# Altium PCB ER100_Driver.PcbDoc (part 2 of 2)
Units mm, origin at the board's own origin, x right, y up, seen from the top; angles counter-clockwise.
Board outline 131.32 x 89.41 mm, 4 copper layers (Top Layer, MidLayer1, MidLayer2, Bottom Layer); 69 components, 74 nets, 544 pads, 542 vias.
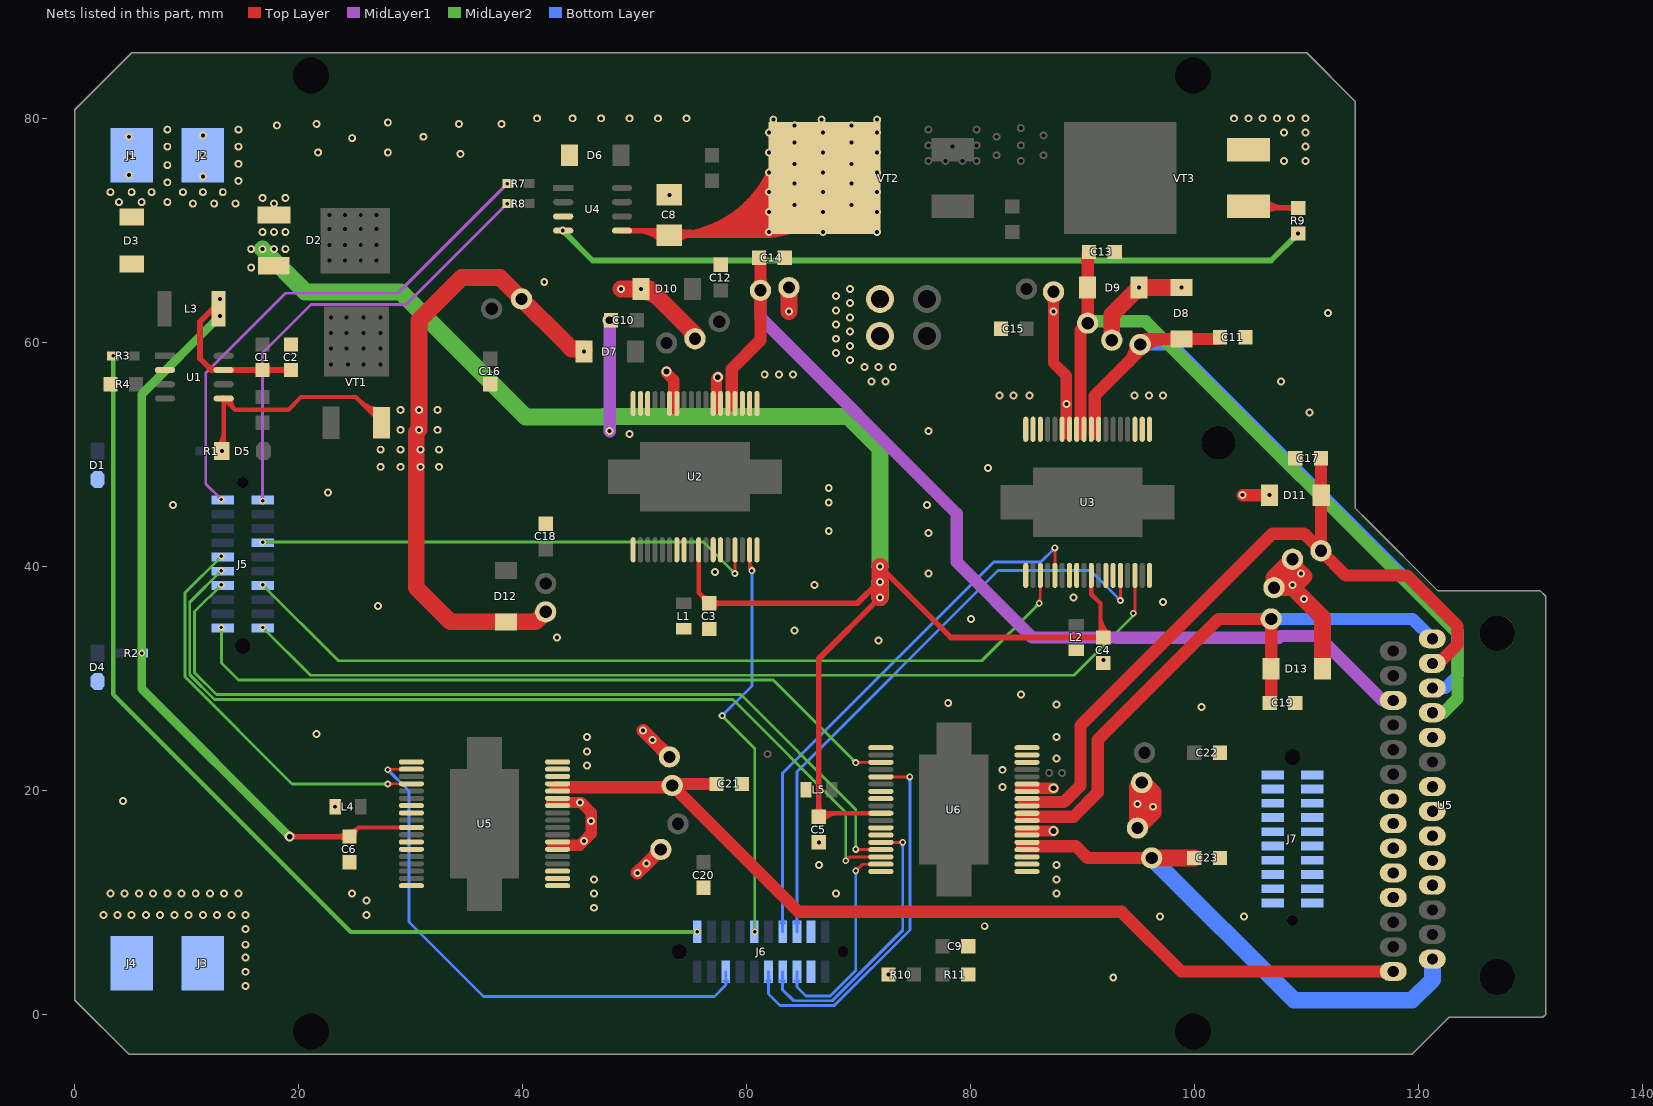
[diagram p4: the nets of this part, all layers, seen from the top]

## Via types
v1: diameter 0.5, hole 0.2, Top Layer to Bottom Layer, 264 vias
v2: diameter 0.711, hole 0.356, Top Layer to Bottom Layer, 203 vias
v3: diameter 0.61, hole 0.305, Top Layer to Bottom Layer, 69 vias
v4: diameter 0.889, hole 0.508, Top Layer to Bottom Layer, 5 vias
v5: diameter 1.27, hole 0.711, Top Layer to Bottom Layer, 1 vias

## Nets (pads, with @x,y where several pads share a name; then routed paths per layer and width w, separated by ;. In a path a pad name is that pad's centre, name@x,y a point inside that pad or via, vN(x,y) a via of type N, cw(c..) or ccw(c..) an arc to the next point about the centre after c; other vN are vias at no path point) (continued)
NetR9_1: R9.1 U4.4 | length 67.8
  MidLayer2 w0.508: v2(43.561,69.977) 46.228,67.31 106.807,67.31 v2(109.22,69.723)
NetR9_2: R9.2 VT3.1 | length 9
  Top Layer w0.508: VT3.1@104.785,72.136 104.912,72.009 R9.2@109.22,72.009 ; VT3.1@106.198,71.573 cw(c107.25,70.521) 107.25,72.009 ; VT3.1@106.198,72.699 ccw(c107.863,74.364) 107.863,72.009 ; R9.2@108.951,71.74 ccw(c108.3,71.089) 108.3,72.009 ccw(c108.3,72.929) R9.2@108.951,72.278
P_GND: C2.1 C3.2 C4.2 C5.2 C6.2 C8.2 C9.1 C10.2 C11.1 C12.2 C13.1 C14.2 C15.1 C16.2 C17.1 C18.2 C19.1 C20.2 C21.2 C22.2 C23.2 D1.2 D3.1 D4.2 J3.1 J4.1 J6.9 J6.12 J7.1 J7.2 J7.3 J7.4 J7.5 J7.6 J7.7 J7.8 J7.9 J7.10 J7.11 J7.12 J7.13 J7.14 J7.15 J7.16 J7.17 J7.18 J7.19 J7.20 L1.2 L2.2 L4.2 L5.2 pad.27@71.882,60.579 pad.28@71.882,63.881 R4.1 R11.2 U1.2 U2.1 U2.2 U2.3 U2.16 U2.17 U2.18 U2.19 U2.25 U2.26 U2.30 U2.31 U2.36 U3.1 U3.2 U3.3 U3.16 U3.17 U3.18 U3.19 U3.25 U3.26 U3.30 U3.31 U3.36 U4.3 U5.1@43.101,11.493 U5.2@43.101,12.143 U5.3@43.101,12.793 U5.10@117.7,12.636 U5.16@43.101,21.243 U5.17@43.101,21.893 U5.18@43.101,22.543 U5.19@30.051,22.543 U5.25@30.051,18.643 U5.26@30.051,17.993 U5.30@30.051,15.393 U5.31 U5.36 U6.1 U6.2 U6.3 U6.16 U6.17 U6.18 U6.19 U6.25 U6.26 U6.30 U6.31 U6.36 VT3.3 | length 9.9
  MidLayer1 w1.1: v2(47.752,52.07) v5(47.752,61.976)
  other v2: 15.24,2.54 92.71,3.302 15.24,3.81 15.24,5.08 15.24,6.223 15.24,7.62 81.236,7.874 96.901,8.763 104.394,8.763 2.54,8.89 3.81,8.89 5.08,8.89 6.35,8.89 7.62,8.89 8.89,8.89 10.16,8.89 11.43,8.89 12.7,8.89 13.97,8.89 15.24,8.89 26.035,8.89 46.355,9.525 26.035,10.16 3.175,10.795 4.445,10.795 5.715,10.795 6.985,10.795 8.255,10.795 9.525,10.795 10.795,10.795 12.065,10.795 13.335,10.795 14.605,10.795 24.765,10.795 46.355,10.795 67.945,10.795 87.63,10.795 46.355,12.065 87.63,12.065 66.421,13.335 87.63,13.335 66.421,15.367 23.241,18.542 4.318,19.05 45.72,22.225 87.63,22.86 45.72,23.495 45.72,24.765 87.63,24.765 21.59,25.019 100.584,27.432 87.63,27.686 77.978,27.813 84.455,28.575 91.821,31.623 71.755,33.401 64.262,34.29 80.01,35.306 27.051,36.449 97.155,36.83 89.154,37.211 66.04,38.354 76.2,39.37 57.15,39.497 76.2,42.97 67.31,43.18 8.763,45.466 76.073,45.466 67.31,45.72 22.606,46.609 67.31,46.99 81.534,48.768 49.53,51.816 76.2,52.07 110.236,53.721 82.55,55.245 83.82,55.245 85.217,55.245 94.615,55.245 95.885,55.245 97.155,55.245 71.12,56.515 72.39,56.515 107.696,56.515 61.595,57.15 62.865,57.15 64.135,57.15 70.485,57.785 71.755,57.785 73.025,57.785 69.215,58.42 67.945,59.055 69.215,59.69 67.945,60.325 69.215,60.96 67.945,61.595 69.215,62.23 111.887,62.611 67.945,62.865 69.215,63.5 67.945,64.135 69.215,64.77 53.086,73.174 107.95,76.2 109.855,76.2 109.855,77.47 107.95,78.74 109.855,78.74 103.505,80.01 104.775,80.01 106.045,80.01 107.315,80.01 108.585,80.01 109.855,80.01
PUMP_EN: J5.10 R8.1 | length 41.9
  MidLayer1 w0.254: v3@16.638,45.973 ccw(c16.335,46.276) 16.764,46.276 ccw(c17.193,46.276) v3@16.89,45.973 ; v3(16.764,45.847) 16.764,59.055 21.082,63.373 29.591,63.373 v3(38.608,72.39) ; v3@38.43,72.39 cw(c38.001,72.39) 38.304,72.086 cw(c38.608,71.783) v3@38.608,72.212
PUMP_PWM: J5.11 R7.1 | length 47.2
  MidLayer1 w0.254: v3@12.903,45.974 ccw(c12.474,45.974) 12.777,46.278 ccw(c13.081,46.581) v3@13.081,46.152 ; v3(13.081,45.974) 11.684,47.371 11.684,57.277 18.796,64.389 28.829,64.389 v3(38.608,74.168) ; v3@38.43,74.168 cw(c38.001,74.168) 38.304,73.864 cw(c38.608,73.561) v3@38.608,73.99
R_STB1: C13.2 D9.1 pad.16@90.424,61.722 U3.10 U3.11 U5.18@121.2,26.936 | length 69.9
  Top Layer w1.1: 89.781,51.816 89.781,61.079 pad.16@90.424,61.722 90.424,67.945 C13.2@90.551,68.072
  MidLayer2 w1.1: pad.16@90.424,61.722 90.424,61.876 95.604,61.876 123.444,34.036 123.444,28.194 122.186,26.936 U5.18@121.2,26.936
R_STB2: C11.2 D8.1 pad.18@95.123,59.817 U3.8 U3.9 U5.17@121.2,29.136 | length 66.5
  Top Layer w1.1: 91.059,51.816 91.059,55.245 95.123,59.309 pad.18@95.123,59.817 95.605,60.299 D8.1@98.806,60.299 102.082,60.299 C11.2@102.235,60.452 ; 94.081,58.267 ccw(c92.531,59.817) pad.18@94.723,59.817 ; pad.18@95.406,59.534 cw(c97.252,57.688) 97.252,60.299
  Bottom Layer w1.1: pad.18@95.123,59.817 97.917,59.817 123.444,34.29 123.444,30.226 122.354,29.136 U5.17@121.2,29.136
R_TC: C19.2 D13.1 pad.23@106.807,35.306 U5.15@121.2,33.536 U6.8 U6.9 | length 55
  Top Layer w1.1: 84.582,17.653 89.154,17.653 91.313,19.812 91.313,24.511 102.108,35.306 pad.23@106.807,35.306 106.807,27.94 C19.2@106.68,27.813
  Bottom Layer w1.1: pad.23@106.807,35.306 119.43,35.306 U5.15@121.2,33.536
RB_INP: C21.1 pad.7@53.34,20.447 U5.14 U5.15@43.101,20.593 | length 85.7
  Top Layer w1.1: 42.926,20.29 53.183,20.29 pad.7@53.34,20.447 ; C21.1@57.277,20.574 53.467,20.574 pad.7@53.34,20.447 ; U5.14@117.7,3.836 98.78,3.836 93.455,9.161 64.626,9.161 pad.7@53.34,20.447
RB_OUP: C14.1 pad.10 U2.4 U2.5 U5.3@117.7,28.036 | length 93.1
  Top Layer w1.1: 58.644,54.356 58.644,57.628 61.214,60.198 pad.10@61.214,64.643 61.214,67.437 C14.1@61.087,67.564 ; pad.10@60.931,64.36 cw(c60.248,63.677) 61.214,63.677 cw(c62.18,63.677) pad.10@61.497,64.36 ; pad.10@60.931,64.926 ccw(c60.248,65.609) 61.214,65.609 ccw(c62.18,65.609) pad.10@61.497,64.926
  MidLayer1 w1.1: pad.10@61.214,64.643 61.214,62.23 78.74,44.704 78.74,40.386 85.471,33.655 92.956,33.655 92.983,33.628 107.502,33.628 107.656,33.782 110.998,33.782 116.744,28.036 U5.3@117.7,28.036
RBI_PWM: J5.15 U5.22@30.051,20.593 | length 38.7
  Top Layer w0.254: v3(27.94,20.574) 27.959,20.593 U5.22@30.051,20.593 ; v3@28.066,20.448 cw(c28.415,20.099) 28.415,20.593 ; v3@28.066,20.7 ccw(c28.323,20.957) 28.323,20.593 ; U5.22@29.082,20.524 ccw(c28.914,20.356) 28.914,20.593 ccw(c28.914,20.83) U5.22@29.082,20.662
  MidLayer2 w0.254: v3@12.903,40.894 cw(c12.474,40.894) 12.777,40.59 cw(c13.081,40.287) v3@13.081,40.716 ; v3(13.081,40.894) 9.83,37.643 9.83,30.146 19.401,20.574 v3(27.94,20.574) ; v3@27.814,20.448 ccw(c27.511,20.145) 27.511,20.574 ccw(c27.511,21.003) v3@27.814,20.7
RBI_STA: J6.3 U5.20@30.051,21.893 | length 51.7
  Top Layer w0.254: v3(27.94,21.844) 27.989,21.893 U5.20@30.051,21.893 ; v3@28.066,21.718 cw(c28.488,21.296) 28.488,21.893 ; v3@28.066,21.97 ccw(c28.251,22.155) 28.251,21.893 ; U5.20@29.082,21.824 ccw(c28.914,21.656) 28.914,21.893 ccw(c28.914,22.13) U5.20@29.082,21.962
  Bottom Layer w0.254: v3@27.94,21.666 cw(c27.94,21.237) 28.244,21.54 cw(c28.547,21.844) v3@28.118,21.844 ; v3(27.94,21.844) 29.845,19.939 29.845,8.255 36.5,1.6 57.099,1.6 58.115,2.616 ; J6.3@57.941,3.003 cw(c57.599,2.616) 58.115,2.616 ; J6.3@58.115,3.81 58.115,2.616 ; J6.3@58.289,3.003 ccw(c58.632,2.616) 58.115,2.616
RBO_PWM: J5.7 U2.33 | length 47.7
  Top Layer w0.254: v3@58.802,39.496 ccw(c58.499,39.799) 58.928,39.799 ccw(c59.357,39.799) v3@59.054,39.496 ; v3(58.928,39.37) 58.928,41.462 U2.33@58.947,41.481 ; 58.928,40.299 cw(c59.229,40.299) U2.33@59.016,40.512
  MidLayer2 w0.254: v3(16.764,42.164) 56.134,42.164 v3(58.928,39.37) ; v3@16.89,42.038 cw(c17.193,41.735) 17.193,42.164 cw(c17.193,42.593) v3@16.89,42.29 ; v3@58.75,39.37 ccw(c58.321,39.37) 58.624,39.674 ccw(c58.928,39.977) v3@58.928,39.548
RBO_STA: J6.16 U2.35 | length 40.9
  Top Layer w0.254: U2.35@60.178,40.512 cw(c60.01,40.344) 60.247,40.344 cw(c60.484,40.344) U2.35@60.316,40.512 ; 60.247,39.935 ccw(c60.763,39.935) v3@60.398,39.57 ; U2.35@60.247,40.548 ccw(c61.376,40.548) v3@60.578,39.75 ; U2.35@60.247,41.481 60.247,39.829 v3(60.452,39.624)
  MidLayer2 w0.254: v3@57.785,26.492 cw(c57.785,26.063) 58.089,26.366 cw(c58.392,26.67) v3@57.963,26.67 ; v3(57.785,26.67) 60.706,23.749 v3(60.706,7.366) ; v3@60.58,7.492 ccw(c60.277,7.795) 60.706,7.795 ccw(c61.135,7.795) v3@60.832,7.492
  Bottom Layer w0.254: v3(57.785,26.67) 60.452,29.337 v3(60.452,39.624) ; v3@57.785,26.848 ccw(c57.785,27.277) 58.089,26.974 ccw(c58.392,26.67) v3@57.963,26.67 ; v3@60.326,39.498 cw(c60.023,39.195) 60.452,39.195 cw(c60.881,39.195) v3@60.578,39.498
RF_INP: C23.1 pad.20@96.139,13.97 U5.28@121.2,4.936 U6.4 U6.5 | length 48.7
  Top Layer w1.1: 84.582,15.016 89.378,15.016 90.424,13.97 pad.20@96.139,13.97
  Top Layer w1.5: pad.20@96.139,13.97 C23.1@99.949,13.97
  Bottom Layer w1.5: pad.20@96.139,13.97 108.839,1.27 119.38,1.27 121.2,3.09 U5.28@121.2,4.936
RF_OUP: C17.2 D11.1 pad.26@111.252,41.402 U5.16@121.2,31.336 U6.10 U6.11 | length 67.9
  Top Layer w1.1: 84.709,18.96 88.302,18.96 89.789,20.447 89.789,25.781 106.934,42.926 109.728,42.926 pad.26@111.252,41.402 ; C17.2@111.252,49.657 pad.26@111.252,41.402 ; U5.16@121.2,31.336 U5.16@121.36,31.496 ; U5.16@121.666,31.242 123.444,33.02 123.444,34.671 118.92,39.195 113.459,39.195 pad.26@111.252,41.402
RFI_PWM: J5.17 U6.33 | length 81.1
  Top Layer w0.254: v3(69.723,14.732) 69.742,14.713 U6.33@71.961,14.713 ; v3@69.849,14.606 cw(c70.106,14.349) 70.106,14.713 ; v3@69.849,14.858 ccw(c70.198,15.207) 70.198,14.713 ; U6.33@70.992,14.644 ccw(c70.824,14.476) 70.824,14.713 ccw(c70.824,14.95) U6.33@70.992,14.782
  MidLayer2 w0.254: v3@12.903,38.354 cw(c12.474,38.354) 12.777,38.05 cw(c13.081,37.747) v3@13.081,38.176 ; v3(13.081,38.354) 10.693,35.966 10.693,30.503 12.647,28.55 59.461,28.55 69.723,18.288 v3(69.723,14.732) ; v3@69.597,14.858 ccw(c69.294,15.161) 69.723,15.161 ccw(c70.152,15.161) v3@69.849,14.858
RFI_STA: J6.8 U6.35 | length 22
  Top Layer w0.254: v3(69.723,12.827) 70.309,13.413 U6.35@71.961,13.413 ; v3@69.723,13.005 ccw(c69.723,13.434) 70.027,13.131 ccw(c70.33,12.827) v3@69.901,12.827 ; U6.35@70.992,13.344 ccw(c70.824,13.176) 70.824,13.413 ccw(c70.824,13.65) U6.35@70.992,13.482
  Bottom Layer w0.254: J6.8@64.279,3.014 cw(c63.83,2.565) 64.465,2.565 cw(c65.1,2.565) J6.8@64.651,3.014 ; J6.8@64.465,3.81 64.465,2.464 65.278,1.651 67.437,1.651 69.723,3.937 v3(69.723,12.827) ; v3@69.597,12.701 cw(c69.294,12.398) 69.723,12.398 cw(c70.152,12.398) v3@69.849,12.701
RFO_PWM: J5.20 U6.21 | length 68.1
  Top Layer w0.254: v3@69.757,22.513 U6.21@71.961,22.513 ; v3@69.849,22.353 cw(c70.234,21.968) 70.234,22.513 ; v3@69.849,22.605 ccw(c70.07,22.826) 70.07,22.513 ; U6.21@70.992,22.444 ccw(c70.824,22.276) 70.824,22.513 ccw(c70.824,22.75) U6.21@70.992,22.582
  MidLayer2 w0.254: v3@12.955,34.418 cw(c12.652,34.115) 13.081,34.115 cw(c13.51,34.115) v3@13.207,34.418 ; v3(13.081,34.544) 13.081,31.369 14.605,29.845 62.357,29.845 v3(69.723,22.479) ; v3@69.545,22.479 ccw(c69.116,22.479) 69.419,22.783 ccw(c69.723,23.086) v3@69.723,22.657
RFO_STA: J6.6 U6.23 | length 36.8
  Top Layer w0.254: U6.23@71.961,21.213 74.545,21.213 v3(74.549,21.209) ; U6.23@72.93,21.144 cw(c73.098,20.976) 73.098,21.213 cw(c73.098,21.45) U6.23@72.93,21.282 ; 74.11,21.213 cw(c74.11,20.77) v3@74.423,21.083 ; 74.129,21.213 ccw(c74.129,21.629) v3@74.423,21.335
  Bottom Layer w0.254: J6.6@61.739,3.014 cw(c61.29,2.565) 61.925,2.565 cw(c62.56,2.565) J6.6@62.111,3.014 ; J6.6@61.925,3.81 61.925,1.829 62.967,0.787 67.795,0.787 74.549,7.542 v3(74.549,21.209) ; v3@74.423,21.083 cw(c74.12,20.78) 74.549,20.78 cw(c74.978,20.78) v3@74.675,21.083
RSTB1_PWM: J5.4 U3.21 | length 79.1
  Top Layer w0.254: v3@85.98,36.829 ccw(c85.452,37.357) 86.199,37.357 ; v3(86.106,36.703) 86.199,36.796 U3.21@86.199,39.195 ; U3.21@86.13,38.226 cw(c85.962,38.058) 86.199,38.058 cw(c86.436,38.058) U3.21@86.268,38.226
  MidLayer2 w0.254: v3@16.764,38.176 cw(c16.764,37.747) 17.068,38.05 cw(c17.371,38.354) v3@16.942,38.354 ; v3(16.764,38.354) 23.546,31.572 80.975,31.572 v3(86.106,36.703) ; v3@85.928,36.703 cw(c85.499,36.703) 85.802,36.399 cw(c86.106,36.096) v3@86.106,36.525
RSTB1_STA: J6.14 U3.23 | length 52
  Top Layer w0.254: v3@87.377,41.53 cw(c87.083,41.236) 87.499,41.236 ; U3.23@87.43,40.164 ccw(c87.262,40.332) 87.499,40.332 ccw(c87.736,40.332) U3.23@87.568,40.164 ; U3.23@87.499,39.195 87.499,41.652 v3(87.503,41.656) ; 87.499,41.217 cw(c87.942,41.217) v3@87.629,41.53
  Bottom Layer w0.254: J6.14@63.009,8.162 ccw(c62.56,8.611) 63.195,8.611 ccw(c63.83,8.611) J6.14@63.381,8.162 ; J6.14@63.195,7.366 63.195,21.539 82.042,40.386 86.233,40.386 v3(87.503,41.656) ; v3@87.325,41.656 cw(c86.896,41.656) 87.199,41.352 cw(c87.503,41.049) v3@87.503,41.478
RSTB2_PWM: J5.1 U3.34 | length 86.7
  Top Layer w0.254: v3(94.488,35.814) 94.556,35.814 94.649,35.721 U3.34@94.649,39.195 ; U3.34@94.58,38.226 cw(c94.412,38.058) 94.649,38.058 cw(c94.886,38.058) U3.34@94.718,38.226
  MidLayer2 w0.254: v3@16.764,34.366 cw(c16.764,33.937) 17.068,34.24 cw(c17.371,34.544) v3@16.942,34.544 ; v3(16.764,34.544) 21.031,30.277 89.205,30.277 94.488,35.56 v3(94.488,35.814)
RSTB2_STA: J6.13 U3.32 | length 56.7
  Top Layer w0.254: v3@93.219,37.083 ccw(c92.906,37.396) 93.349,37.396 ; U3.32@93.28,38.226 cw(c93.112,38.058) 93.349,38.058 cw(c93.586,38.058) U3.32@93.418,38.226 ; v3(93.345,36.957) 93.349,36.961 U3.32@93.349,39.195 ; 93.349,37.377 ccw(c93.765,37.377) v3@93.471,37.083
  Bottom Layer w0.254: J6.13@64.279,8.162 ccw(c63.83,8.611) 64.465,8.611 ccw(c65.1,8.611) J6.13@64.651,8.162 ; J6.13@64.465,7.366 64.465,21.666 82.423,39.624 90.678,39.624 v3(93.345,36.957) ; v3@93.167,36.957 ccw(c92.738,36.957) 93.041,37.261 ccw(c93.345,37.564) v3@93.345,37.135
RTC_PWM: J5.16 U6.34 | length 84.1
  Top Layer w0.254: v3(68.834,13.716) 69.181,14.063 U6.34@71.961,14.063 ; v3@68.834,13.894 ccw(c68.834,14.323) 69.138,14.02 ccw(c69.441,13.716) v3@69.012,13.716 ; U6.34@70.992,13.994 ccw(c70.824,13.826) 70.824,14.063 ccw(c70.824,14.3) U6.34@70.992,14.132
  MidLayer2 w0.254: v3@12.903,39.624 cw(c12.474,39.624) 12.777,39.32 cw(c13.081,39.017) v3@13.081,39.446 ; v3(13.081,39.624) 10.262,36.805 10.262,30.324 12.468,28.118 58.75,28.118 68.834,18.034 v3(68.834,13.716) ; v3@68.708,13.842 ccw(c68.405,14.145) 68.834,14.145 ccw(c69.263,14.145) v3@68.96,13.842
RTC_STA: J6.7 U6.32 | length 27.9
  Top Layer w0.254: U6.32@71.961,15.363 73.91,15.363 v3(73.914,15.367) ; U6.32@72.93,15.294 cw(c73.098,15.126) 73.098,15.363 cw(c73.098,15.6) U6.32@72.93,15.432 ; 73.475,15.363 ccw(c73.475,15.806) v3@73.788,15.493 ; 73.494,15.363 cw(c73.494,14.947) v3@73.788,15.241
  Bottom Layer w0.254: J6.7@63.009,3.014 cw(c62.56,2.565) 63.195,2.565 cw(c63.83,2.565) J6.7@63.381,3.014 ; J6.7@63.195,3.81 63.195,2.21 64.186,1.219 67.616,1.219 73.914,7.517 v3(73.914,15.367) ; v3@73.788,15.241 cw(c73.485,14.938) 73.914,14.938 cw(c74.343,14.938) v3@74.04,15.241
VALVES+: D5.1 D7.2 D8.2 D9.2 D10.2 D11.2 D12.2 D13.2 pad.2@39.878,63.881 pad.3@42.037,35.941 pad.5@52.324,14.732 pad.8@53.086,22.987 pad.9@63.754,64.897 pad.12@55.372,60.325 pad.15@87.376,64.516 pad.17@92.583,60.198 pad.19@94.869,16.637 pad.21 pad.22@29.083,52.197 pad.23@29.083,53.975 pad.24 pad.25 pad.26@30.734,52.197 pad.27@32.385,52.197 pad.28@29.083,50.419 pad.29@30.861,50.419 pad.30@32.512,50.419 pad.31@32.512,48.895 pad.32@30.861,48.895 pad.33 pad.34 R1.1 R10.2 U1.5 U2.6 U2.7 U2.12 U2.13 U3.12 U3.13 U5.6@43.101,14.743 U5.7 U5.8@117.7,17.036 U5.9@117.7,14.836 U5.11@117.7,10.436 U5.12@43.101,18.643 U5.13@43.101,19.293 U5.19@121.2,24.736 U5.21@121.2,20.336 U5.22@121.2,18.136 U5.23@121.2,15.936 U5.24@121.2,13.736 U5.25@121.2,11.536 U6.6 U6.7 U6.12 U6.13 VT1.3 | length 183.2
  Top Layer w0.381: D5.1@12.781,50.767 ccw(c11.546,52.002) 13.293,52.002 ; D5.1@13.014,50.409 ccw(c12.341,51.082) D5.1@13.293,51.082 ; v2(13.131,50.292) 13.293,50.454 U1.5@13.293,54.991 14.309,53.975 ; U1.5@13.252,55.118 ccw(c13.389,55.092) U1.5@13.291,54.993 ; 13.293,51.22 ccw(c13.934,51.22) D5.1@13.481,50.767 ; U1.5@13.627,55.046 ccw(c14.245,54.929) 13.8,54.484 ; U1.5@14.001,54.975 ccw(c15.1,54.766) 14.309,53.975 ; 25.333,54.872 ccw(c27.393,56.932) VT1.3@27.393,54.019 ; 25.983,54.222 ccw(c27.393,55.631) VT1.3@27.393,53.638 ; VT1.3@26.634,53.571 ccw(c27.393,54.33) VT1.3@27.393,53.257 ; VT1.3@27.393,52.812 25.087,55.118 20.193,55.118 19.05,53.975 14.309,53.975
  Top Layer w1: 42.545,18.923 v2(45.085,18.923) 45.212,18.923 46.101,18.034 v2(46.101,17.272) 46.101,16.129 v2(45.466,15.494) 45.085,15.113 42.672,15.113 ; v4(52.832,57.404) 52.832,57.277 53.467,56.642 53.467,54.102 ; 57.277,54.102 57.277,56.769 v4(57.404,56.896) ; 84.455,16.383 v4(87.376,16.383) ; 84.455,20.193 v4(87.376,20.193) ; pad.15@87.058,64.198 cw(c86.29,63.43) 87.376,63.43 cw(c88.462,63.43) pad.15@87.694,64.198 ; pad.15@87.376,64.516 v2(87.376,62.738) 87.376,58.166 88.519,57.023 v2(88.519,54.483) 88.519,51.816
  Top Layer w1.1: v2(104.267,46.355) v2(106.678,46.355)
  Top Layer w1.2: v2(50.228,12.636) v2(51.054,13.462) pad.5@52.324,14.732 ; v2(50.736,25.336) v2(51.562,24.511) pad.8@53.086,22.987
  Top Layer w1.5: pad.3@42.037,35.941 41.146,35.05 D12.2@38.481,35.05 33.53,35.05 30.48,38.1 30.48,51.943 pad.26@30.734,52.197 pad.24@30.734,53.975 30.734,61.976 34.544,65.786 37.973,65.786 pad.2@39.878,63.881 43.566,60.193 44.352,59.407 45.452,59.407 45.464,59.395 v2(45.464,59.182) ; v2(48.768,64.77) v2(50.544,64.77) 51.308,64.77 55.372,60.706 pad.12@55.372,60.325 ; D10.2@50.544,64.545 cw(c50.544,62.158) 52.232,63.846 ; 54.761,61.317 cw(c53.769,60.325) pad.12@55.172,60.325 ; v2(63.754,62.738) pad.9@63.754,64.897 ; pad.17@92.583,60.198 92.583,62.482 v2(94.998,64.897) 98.804,64.897 v2(98.806,64.899) ; pad.19@94.869,16.637 v2(94.869,18.796) 94.869,20.32 pad.21@95.25,20.701 ; pad.19@95.25,17.018 96.266,18.034 v2(96.266,18.542) 96.266,19.812 pad.21@95.25,20.828 ; D13.2@111.381,30.861 111.381,35.431 v2(109.728,37.084) v2@108.712,38.1 ; pad.24@107.061,38.1 107.061,38.989 pad.25@108.712,40.64 pad.25@108.712,40.132 ; pad.24@107.061,38.1 v2@108.712,38.1 ; pad.24@107.061,38.1 108.712,39.751 pad.25@108.712,40.132 ; v2@108.712,38.1 109.728,39.116 v2(109.474,39.37) pad.25@108.712,40.132
  other v2: 72.644,3.556 82.804,20.32 82.804,21.844 43.053,33.655 108.712,38.354 41.91,65.405
VALVES_EN: J6.20 R3.1 | length 91.2
  MidLayer2 w0.381: v3(3.429,58.801) 3.429,28.575 24.638,7.366 v3(55.575,7.366)
VCC_14V: C1.2 C2.2 C3.1 C4.1 C5.1 C6.1 C8.1 D2.1 D3.2 D6.1 J1.1 J2.1 L3.2 pad.0@18.034,79.375 pad.0@54.61,80.01 pad.1@64.262,79.375 pad.2@69.342,79.375 pad.3@66.675,79.883 pad.4@62.357,79.883 pad.5@71.628,79.883 pad.30@46.99,80.01 pad.31@49.53,80.01 pad.32@52.07,80.01 pad.43 pad.49 pad.50 pad.51 pad.52 pad.53 pad.54 pad.55 pad.56 pad.57 pad.59 pad.60 pad.61 pad.62 pad.63 pad.64 pad.65 pad.66 pad.67 pad.68 pad.69 pad.70 pad.71 pad.72 pad.73 pad.74 pad.75 pad.76 pad.77 pad.78 pad.79 pad.80 pad.81 pad.82 pad.83 pad.84 pad.85 pad.86 pad.87 pad.88 pad.89 pad.90 pad.91 pad.92 pad.93 pad.94 pad.95 pad.96 R2.2 U1.7 U2.28 U3.28 U4.5 U5.28@30.051,16.693 U6.28 VT2.2 | length 469.8
  Top Layer w0.381: C6.1@24.511,15.875 25.329,16.693 U5.28@30.051,16.693 ; C6.1@24.511,16.319 ccw(c24.511,17.393) 25.27,16.634 ccw(c26.029,15.875) C6.1@24.956,15.875 ; U2.28@55.697,41.481 55.697,37.648 C3.1@56.642,36.703 ; C3.1@56.197,36.703 ccw(c55.124,36.703) 55.883,37.462 ccw(c56.642,38.221) C3.1@56.642,37.148 ; C5.1@66.421,18.034 66.492,17.963 U6.28@71.961,17.963 ; C5.1@66.466,17.608 cw(c67.323,16.751) 67.323,17.963 ; C5.1@66.735,17.339 cw(c68.243,15.831) 68.243,17.963 ; U3.28@90.749,39.195 90.749,37.521 91.567,36.703 91.567,34.036 C4.1@91.948,33.655 ; 91.567,34.728 ccw(c93.021,34.728) C4.1@91.993,33.7 ; 91.567,35.648 ccw(c93.941,35.648) C4.1@92.262,33.969
  Top Layer w0.508: 11.82,57.903 ccw(c12.668,58.752) U1.7@12.668,57.552 ; L3.2@12.827,62.992 12.319,62.992 11.176,61.849 11.176,58.547 12.192,57.531 U1.7@13.293,57.531 C1.2@16.764,57.531 C2.2@19.304,57.531 ; C1.2@16.495,57.262 ccw(c15.844,56.611) 15.844,57.531 ccw(c15.844,58.451) C1.2@16.495,57.8 ; C1.2@17.033,57.262 cw(c17.684,56.611) 17.684,57.531 cw(c17.684,58.451) C1.2@17.033,57.8 ; C2.2@19.035,57.262 ccw(c18.384,56.611) 18.384,57.531 ccw(c18.384,58.451) C2.2@19.035,57.8 ; v4(19.177,15.875) C6.1@24.511,15.875 ; v4@19.312,15.74 cw(c19.637,15.415) 19.637,15.875 cw(c19.637,16.335) v4@19.312,16.01 ; C6.1@24.242,15.606 ccw(c23.591,14.955) 23.591,15.875 ccw(c23.591,16.795) C6.1@24.242,16.144 ; U4.5@48.853,69.977 52.683,69.977 C8.1@53.086,69.574 ; 50.236,69.977 cw(c50.236,66.915) C8.1@52.402,69.08 ; 51.463,69.977 cw(c51.463,68.141) C8.1@52.761,69.439 ; C8.1@53.699,70.13 ccw(c54.667,71.403) 54.883,69.819 ; C8.1@53.718,70.115 ccw(c54.898,71.563) 55.087,69.705 ; C8.1@53.77,69.08 cw(c54.963,67.888) 54.963,69.574 cw(c54.963,71.26) C8.1@53.77,70.068 ; C8.1@53.8,69.574 ccw(c53.8,79.22) VT2.2@62.914,76.063 ; C8.1@53.818,69.133 cw(c54.985,68.181) 54.832,69.679 ; C8.1@53.832,69.151 cw(c55.244,68.078) 55.005,69.835 ; 54.514,69.574 ccw(c54.514,78.973) VT2.2@63.394,75.897 ; 55.227,69.574 ccw(c55.227,78.725) VT2.2@63.874,75.73 ; 55.941,69.574 ccw(c55.941,78.478) VT2.2@64.354,75.564 ; C3.1@56.642,36.703 69.85,36.703 71.755,38.608 v2(71.882,38.608) ; 56.654,69.574 ccw(c56.654,78.231) VT2.2@64.834,75.398 ; C3.1@56.911,36.434 cw(c57.562,35.783) 57.562,36.703 cw(c57.562,37.623) C3.1@56.911,36.972 ; 57.368,69.574 ccw(c57.368,77.984) VT2.2@65.315,75.232 ; 58.081,69.574 ccw(c58.081,77.737) VT2.2@65.795,75.065 ; 58.795,69.574 ccw(c58.795,77.49) VT2.2@66.275,74.899 ; 59.508,69.574 ccw(c59.508,77.243) VT2.2@66.755,74.733 ; 60.222,69.574 ccw(c60.222,76.995) VT2.2@67.235,74.567 ; 60.837,69.887 cw(c61.23,68.509) VT2.2@61.927,69.761 ; 60.916,72.749 cw(c62.121,71.737) VT2.2@61.985,73.305 ; 60.935,69.574 ccw(c60.935,76.748) VT2.2@67.715,74.4 ; 61.065,69.574 ccw(c61.065,70.761) v2@61.904,69.922 ; 61.205,71.352 cw(c61.794,70.529) VT2.2@61.959,71.528 ; 61.266,69.598 ccw(c61.198,70.522) v2@61.899,69.916 ; 61.403,69.864 cw(c61.542,69.19) VT2.2@61.92,69.765 ; 61.504,71.116 ccw(c61.046,71.833) v2@61.877,71.65 ; 61.585,69.738 ccw(c61.529,70.201) v2@61.896,69.913 ; 61.649,69.574 ccw(c61.649,76.501) VT2.2@68.195,74.234 ; 61.737,73.022 ccw(c61.348,73.377) v2@61.875,73.401 ; VT2.2@61.95,73.504 ccw(c61.808,74.052) VT2.2@62.296,73.766 ; VT2.2@61.976,69.952 ccw(c61.976,70.479) VT2.2@62.349,70.106 ; VT2.2@61.976,71.73 ccw(c61.977,72.567) VT2.2@62.568,71.974 ; VT2.2@62.002,69.948 ccw(c62.207,70.711) VT2.2@62.601,70.027 ; VT2.2@62.017,69.943 ccw(c62.203,70.359) VT2.2@62.366,69.934 ; VT2.2@62.025,69.939 ccw(c62.465,70.728) VT2.2@62.712,69.859 ; VT2.2@62.035,69.932 ccw(c62.619,70.741) VT2.2@62.778,69.756 ; VT2.2@62.072,69.817 cw(c62.686,69.604) VT2.2@62.402,70.188 ; VT2.2@62.073,69.82 cw(c63.506,69.383) VT2.2@62.802,70.706 ; VT2.2@62.074,73.432 cw(c63.57,73.825) VT2.2@62.234,74.605 ; VT2.2@62.078,71.632 cw(c63.087,71.671) VT2.2@62.346,72.357 ; VT2.2@62.434,76.229 cw(c53.086,79.467) C8.1@53.086,69.574 ; VT2.2@62.509,72.923 cw(c59.617,71.774) v2@61.817,69.574 ; VT2.2@62.981,73.111 cw(c60.399,72.085) 62.363,70.12 cw(c64.328,68.156) VT2.2@65.354,70.738 ; VT2.2@63.126,73.224 cw(c64.727,72.247) VT2.2@64.286,74.069 ; VT2.2@63.453,73.298 cw(c61.18,72.395) 62.909,70.666 cw(c64.638,68.937) VT2.2@65.541,71.21 ; VT2.2@63.654,71.291 ccw(c62.724,72.393) VT2.2@64.161,72.272 ; VT2.2@63.855,72.023 cw(c64.223,71.608) VT2.2@64.256,72.162 ; VT2.2@63.916,71.673 ccw(c63.326,72.263) VT2.2@64.16,72.263 ; VT2.2@64.182,75.152 ccw(c64.981,74.817) VT2.2@64.337,74.236 ; VT2.2@64.249,72.364 ccw(c64.065,73.791) VT2.2@65.204,72.912 ; VT2.2@64.262,72.365 ccw(c64.262,73.199) VT2.2@64.852,72.609 ; VT2.2@64.362,72.281 cw(c64.922,72.381) VT2.2@64.455,72.706 ; VT2.2@65.166,70.266 ccw(c64.017,67.374) v2@61.817,69.574 ; C5.1@66.152,17.922 ccw(c65.501,18.573) 66.421,18.573 ccw(c67.341,18.573) C5.1@66.69,17.922 ; VT2.2@66.187,73.944 ccw(c64.946,75.184) VT2.2@66.7,75.184 ; VT2.2@66.202,71.354 cw(c66.706,70.729) VT2.2@66.791,71.527 ; VT2.2@66.376,72.12 ccw(c65.004,73.148) VT2.2@66.701,73.392 ; C5.1@66.421,18.034 66.421,31.75 v2(71.882,37.211) ; VT2.2@66.506,73.118 cw(c66.888,72.836) VT2.2@66.817,73.306 ; VT2.2@66.767,73.501 ccw(c66.196,75.051) VT2.2@67.696,74.359 ; VT2.2@66.897,73.442 cw(c67.374,73.625) VT2.2@66.907,73.833 ; VT2.2@66.902,71.644 cw(c67.698,71.774) VT2.2@67.044,72.245 ; VT2.2@66.919,74.676 v2@61.817,69.574 ; 71.492,38.345 cw(c71.882,37.955) v2@71.882,38.506 ; v2(71.882,40.005) 78.232,33.655 C4.1@91.821,33.655 C4.1@91.948,33.655 ; C4.1@91.679,33.386 ccw(c91.028,32.735) 91.028,33.655 ccw(c91.028,34.575) C4.1@91.679,33.924 ; C8.1@53.086,69.574 v2@61.817,69.574
  Top Layer w1.524: v2(71.882,37.211) v2(71.882,38.608) v2(71.882,40.005)
  MidLayer2 w0.762: v2(12.954,62.357) 5.969,55.372 v3(5.969,32.258) 5.969,29.083 v4(19.177,15.875) v4@19.241,15.811
  MidLayer2 w1.524: pad.52@16.764,68.326 20.574,64.516 29.083,64.516 40.259,53.34 47.19,53.34 47.215,53.365 69.063,53.365 71.882,50.546 v2(71.882,40.005) ; v2(71.882,37.211) v2(71.882,38.608)
  other v2: 12.954,63.881 61.976,69.85 66.802,69.85 71.628,69.85 61.976,71.628 66.802,71.628 71.628,71.628 64.262,72.263 69.342,72.263 61.976,73.406 66.802,73.406 71.628,73.406 64.262,74.168 69.342,74.168 61.976,75.184 66.802,75.184 71.628,75.184 64.262,75.946 69.342,75.946 61.976,76.962 66.802,76.962 71.628,76.962 64.262,77.851 69.342,77.851 61.976,78.74 66.802,78.74 71.628,78.74
pads on no net: J5.0 J6.0 J6.4 J6.10 J7.0 U2.0 U2.29 U3.0 U3.4 U3.5 U3.6 U3.7 U3.29 U3.33 U3.35 U5.0 U5.10@43.101,17.343 U5.11@43.101,17.993 U5.12@117.7,8.236 U5.20@121.2,22.536 U5.21@30.051,21.243 U5.23@30.051,19.943 U5.29 U5.30@127,34.036 U6.0 U6.29
copper on no net:
  other v1: 35.433,10.033 36.576,10.033 37.719,10.033 35.433,11.303 36.576,11.303 37.719,11.303 77.343,11.303 78.486,11.303 79.629,11.303 77.343,12.573 78.486,12.573 79.629,12.573 33.826,12.618 34.926,12.618 36.026,12.618 37.126,12.618 38.226,12.618 39.326,12.618 33.826,13.718 34.926,13.718 36.026,13.718 37.126,13.718 38.226,13.718 39.326,13.718 75.736,13.888 76.836,13.888 77.936,13.888 79.036,13.888 80.136,13.888 81.236,13.888 33.826,14.818 34.926,14.818 36.026,14.818 37.126,14.818 38.226,14.818 39.326,14.818 75.736,14.988 76.836,14.988 77.936,14.988 79.036,14.988 80.136,14.988 81.236,14.988 33.826,15.918 34.926,15.918 36.026,15.918 37.126,15.918 38.226,15.918 39.326,15.918 75.736,16.088 76.836,16.088 77.936,16.088 79.036,16.088 80.136,16.088 81.236,16.088 33.826,17.018 34.926,17.018 36.026,17.018 37.126,17.018 38.226,17.018 39.326,17.018 75.736,17.188 76.836,17.188 77.936,17.188 79.036,17.188 80.136,17.188 81.236,17.188 33.826,18.118 34.926,18.118 36.026,18.118 37.126,18.118 38.226,18.118 39.326,18.118 75.736,18.288 76.836,18.288 77.936,18.288 79.036,18.288 80.136,18.288 81.236,18.288 33.826,19.218 34.926,19.218 36.026,19.218 37.126,19.218 38.226,19.218 39.326,19.218 75.736,19.388 76.836,19.388 77.936,19.388 79.036,19.388 80.136,19.388 81.236,19.388 33.826,20.318 34.926,20.318 36.026,20.318 37.126,20.318 38.226,20.318 39.326,20.318 75.736,20.488 76.836,20.488 77.936,20.488 79.036,20.488 80.136,20.488 81.236,20.488 33.826,21.418 34.926,21.418 36.026,21.418 37.126,21.418 38.226,21.418 39.326,21.418 75.736,21.588 76.836,21.588 77.936,21.588 79.036,21.588 80.136,21.588 81.236,21.588 75.736,22.688 76.836,22.688 77.936,22.688 79.036,22.688 80.136,22.688 81.236,22.688 35.433,22.86 36.576,22.86 37.719,22.86 35.433,24.13 36.576,24.13 37.719,24.13 77.343,24.13 78.486,24.13 79.629,24.13 77.343,25.4 78.486,25.4 79.629,25.4 86.024,42.97 87.124,42.97 88.224,42.97 89.324,42.97 90.424,42.97 91.524,42.97 92.624,42.97 93.724,42.97 94.824,42.97 86.024,44.07 87.124,44.07 88.224,44.07 89.324,44.07 90.424,44.07 91.524,44.07 92.624,44.07 93.724,44.07 94.824,44.07 83.312,44.577 84.582,44.577 96.139,44.577 97.409,44.577 86.024,45.17 87.124,45.17 88.224,45.17 89.324,45.17 90.424,45.17 91.524,45.17 92.624,45.17 93.724,45.17 94.824,45.17 50.972,45.256 52.072,45.256 53.172,45.256 54.272,45.256 55.372,45.256 56.472,45.256 57.572,45.256 58.672,45.256 59.772,45.256 83.312,45.72 84.582,45.72 96.139,45.72 97.409,45.72 86.024,46.27 87.124,46.27 88.224,46.27 89.324,46.27 90.424,46.27 91.524,46.27 92.624,46.27 93.724,46.27 94.824,46.27 50.972,46.356 52.072,46.356 53.172,46.356 54.272,46.356 55.372,46.356 56.472,46.356 57.572,46.356 58.672,46.356 59.772,46.356 48.26,46.863 49.53,46.863 61.087,46.863 62.357,46.863 83.312,46.863 84.582,46.863 96.139,46.863 97.409,46.863 86.024,47.37 87.124,47.37 88.224,47.37 89.324,47.37 90.424,47.37 91.524,47.37 92.624,47.37 93.724,47.37 94.824,47.37 50.972,47.456 52.072,47.456 53.172,47.456 54.272,47.456 55.372,47.456 56.472,47.456 57.572,47.456 58.672,47.456 59.772,47.456 48.26,48.006 49.53,48.006 61.087,48.006 62.357,48.006 86.024,48.47 87.124,48.47 88.224,48.47 89.324,48.47 90.424,48.47 91.524,48.47 92.624,48.47 93.724,48.47 94.824,48.47 50.972,48.556 52.072,48.556 53.172,48.556 54.272,48.556 55.372,48.556 56.472,48.556 57.572,48.556 58.672,48.556 59.772,48.556 48.26,49.149 49.53,49.149 61.087,49.149 62.357,49.149 50.972,49.656 52.072,49.656 53.172,49.656 54.272,49.656 55.372,49.656 56.472,49.656 57.572,49.656 58.672,49.656 59.772,49.656 50.972,50.756 52.072,50.756 53.172,50.756 54.272,50.756 55.372,50.756 56.472,50.756 57.572,50.756 58.672,50.756 59.772,50.756

## Polygon pours and split planes (outlines as drawn)
VCC_14V on Bottom Layer "Mechanical 1-No Net" (solid, pour order 36): 2.032,80.518 2.032,69.977 12.192,69.977 12.192,61.214 14.478,61.214 14.478,65.532 19.812,65.532 19.812,76.2 60.96,76.2 60.96,69.342 72.39,69.342 72.39,80.772 2.032,80.772
MOTOR+ on Bottom Layer "Bottom Layer-No Net" (solid, remove dead copper, pour order 28): 74.295,59.055 74.295,67.945 75.565,69.215 75.565,80.01 98.425,80.01 98.425,69.596 86.995,69.596 86.995,75.565 80.645,75.565 80.645,59.055
NetD2_2 on Bottom Layer "Bottom Layer-No Net" (solid, remove dead copper, pour order 30): 21.59,72.39 28.575,72.39 28.575,56.515 21.59,56.515
P_GND on Bottom Layer "Top Layer-No Net1" (solid, remove dead copper, pour order 57): 0,1.27 0,80.772 5.08,85.852 109.982,85.852 114.3,81.534 114.3,45.212 115.57,43.942 121.666,37.846 130.81,37.846 131.318,37.338 131.318,0 131.064,-0.254 122.682,-0.254 119.38,-3.556 4.826,-3.556
VCC_14V on Top Layer "Mechanical 1-No Net" (solid, pour order 38): 2.032,80.772 2.032,69.977 12.192,69.977 12.192,61.214 13.97,61.214 13.97,65.532 19.812,65.532 19.812,76.2 60.96,76.2 60.96,69.342 72.39,69.342 72.39,80.772 2.032,80.772
MOTOR+ on Top Layer "Bottom Layer-No Net" (solid, remove dead copper, pour order 27): 75.565,75.565 75.565,80.01 98.425,80.01 98.425,69.596 86.995,69.596 86.995,75.565
VCC_14V on Top Layer "Bottom Layer-No Net" (solid, remove dead copper, pour order 21): 60.96,69.342 60.96,80.772 72.39,80.772 72.39,69.342
VALVES+ on Top Layer "Bottom Layer-No Net" (solid, remove dead copper, pour order 23): 26.416,54.61 32.385,54.61 33.02,54.61 33.02,48.26 26.416,48.26
MOTOR+ on Top Layer "Bottom Layer-No Net" (solid, remove dead copper, pour order 18): 56.261,75.057 58.547,75.057 58.547,73.787 56.261,73.787
VCC_14V on Top Layer "Bottom Layer-No Net" (solid, remove dead copper, pour order 22): 12.192,61.341 12.192,69.977 15.494,69.977 15.494,65.532 13.97,65.532 13.97,61.214 12.192,61.214
NetD2_2 on Top Layer "Bottom Layer-No Net" (solid, remove dead copper, pour order 29): 21.59,72.39 28.575,72.39 28.575,56.515 21.59,56.515
P_GND on Top Layer "Top Layer-No Net" (solid, remove dead copper, pour order 56): 0,1.27 0,80.772 5.08,85.852 109.982,85.852 114.3,81.534 114.3,45.212 115.57,43.942 121.666,37.846 130.81,37.846 131.318,37.338 131.318,0 131.064,-0.254 122.682,-0.254 119.38,-3.556 4.826,-3.556
VCC_14V on MidLayer2 "Bottom Layer-No Net" (solid, remove dead copper, pour order 26): 12.192,64.77 13.716,64.77 13.716,61.214 12.192,61.214
VCC_14V on MidLayer2 "Bottom Layer-No Net" (solid, remove dead copper, pour order 25): 14.478,69.215 19.812,69.215 19.812,65.532 14.478,65.532
VALVES+ on MidLayer1 "Mechanical 1-No Net" (solid, remove dead copper, pour order 51): 114.3,68.58 29.591,68.58 29.464,68.707 29.083,68.326 29.083,56.134 26.035,56.134 25.146,55.245 24.765,54.864 24.765,0 131.064,0 131.318,0.254 131.318,37.338 130.81,37.846 121.666,37.846 114.3,45.212 114.3,68.58

## Keep-outs
Keep-Out Layer:
  the board outline again, w0.254

## Silkscreen, mask and mechanical layers (free items; w line width, h text height)
Top Overlay:
  lines w0.025: 26.619,43.993 30.607,43.993
  text "+" at 88.9,65.659 h2.54 r90
  text "+" at 66.548,64.262 h2.54 r90
  text "+" at 42.545,63.373 h2.54 r90
  text "+" at 79.502,61.849 h2.54 r90
  text "+" at 57.658,58.674 h2.54 r90
  text "+" at 92.964,57.785 h2.54 r90
  text "+" at 109.347,42.037 h2.54 r90
  text "+" at 105.791,37.592 h2.54 r90
  text "+" at 40.894,35.306 h2.54 r90
  text "+" at 56.007,22.479 h2.54 r90
  text "+" at 93.853,20.193 h2.54 r90
  text "+" at 93.853,16.129 h2.54 r90
  text "+" at 54.991,12.954 h2.54 r90
Bottom Overlay:
  drawing of 1300 lines, arcs and shapes, not listed
  text "14V" at 10.668,69.342 h3.05
  text "Valves" at 1.27,37.338 h3.05 r270
  text "ESC Driver" at 35.56,37.287 h3.05
  text "Qu Tianze" at 35.433,34.798 h3.05
  text "2022.12" at 34.417,32.004 h3.05
  text "Power" at 1.27,19.812 h3.05 r270
  text "GND" at 11.684,11.938 h3.05
Bottom Solder:
  lines w1.2: 76.073,60.579 77.978,60.579 79.375,61.976 79.375,78.994 ; 76.073,63.881 77.216,65.024 77.216,65.659 77.216,78.994

## Dimensions
130.81,37.846 to 148.082,-3.556 on Mechanical 1
114.3,45.212 to 119.38,-3.556 on Mechanical 1
21.082,83.82 to 21.082,-1.524 on Mechanical 1
5.08,85.852 to 4.826,-3.556 on Mechanical 1
0,80.772 to 21.082,83.82 on Mechanical 1
21.082,83.82 to 99.822,83.82 on Mechanical 1
0,80.772 to 114.3,81.534 on Keep-Out Layer

## Text inside footprints (layer, text, board x,y; h text height)
J5: Bottom Overlay "^" at 20.193,35.052 h2.54 r90
J6: Bottom Overlay "^" at 56.134,0.381 h2.54
J7: Bottom Overlay "^" at 103.505,20.828 h2.54 r270
U5: Top Overlay "JAE MX34_28" at 132.249,12.937 h0.8 r90